# Altium PCB CHILD_BOARD.PcbDoc (part 2 of 2)
Units mm, origin at the board's own origin, x right, y up, seen from the top; angles counter-clockwise.
Board outline 130 x 120 mm, 4 copper layers (Top Layer, GND, PWR, Bottom Layer), stack 1.57 mm thick; 181 components, 106 nets, 543 pads, 39 vias.
Unrouted connection lines stored in the file: 260.
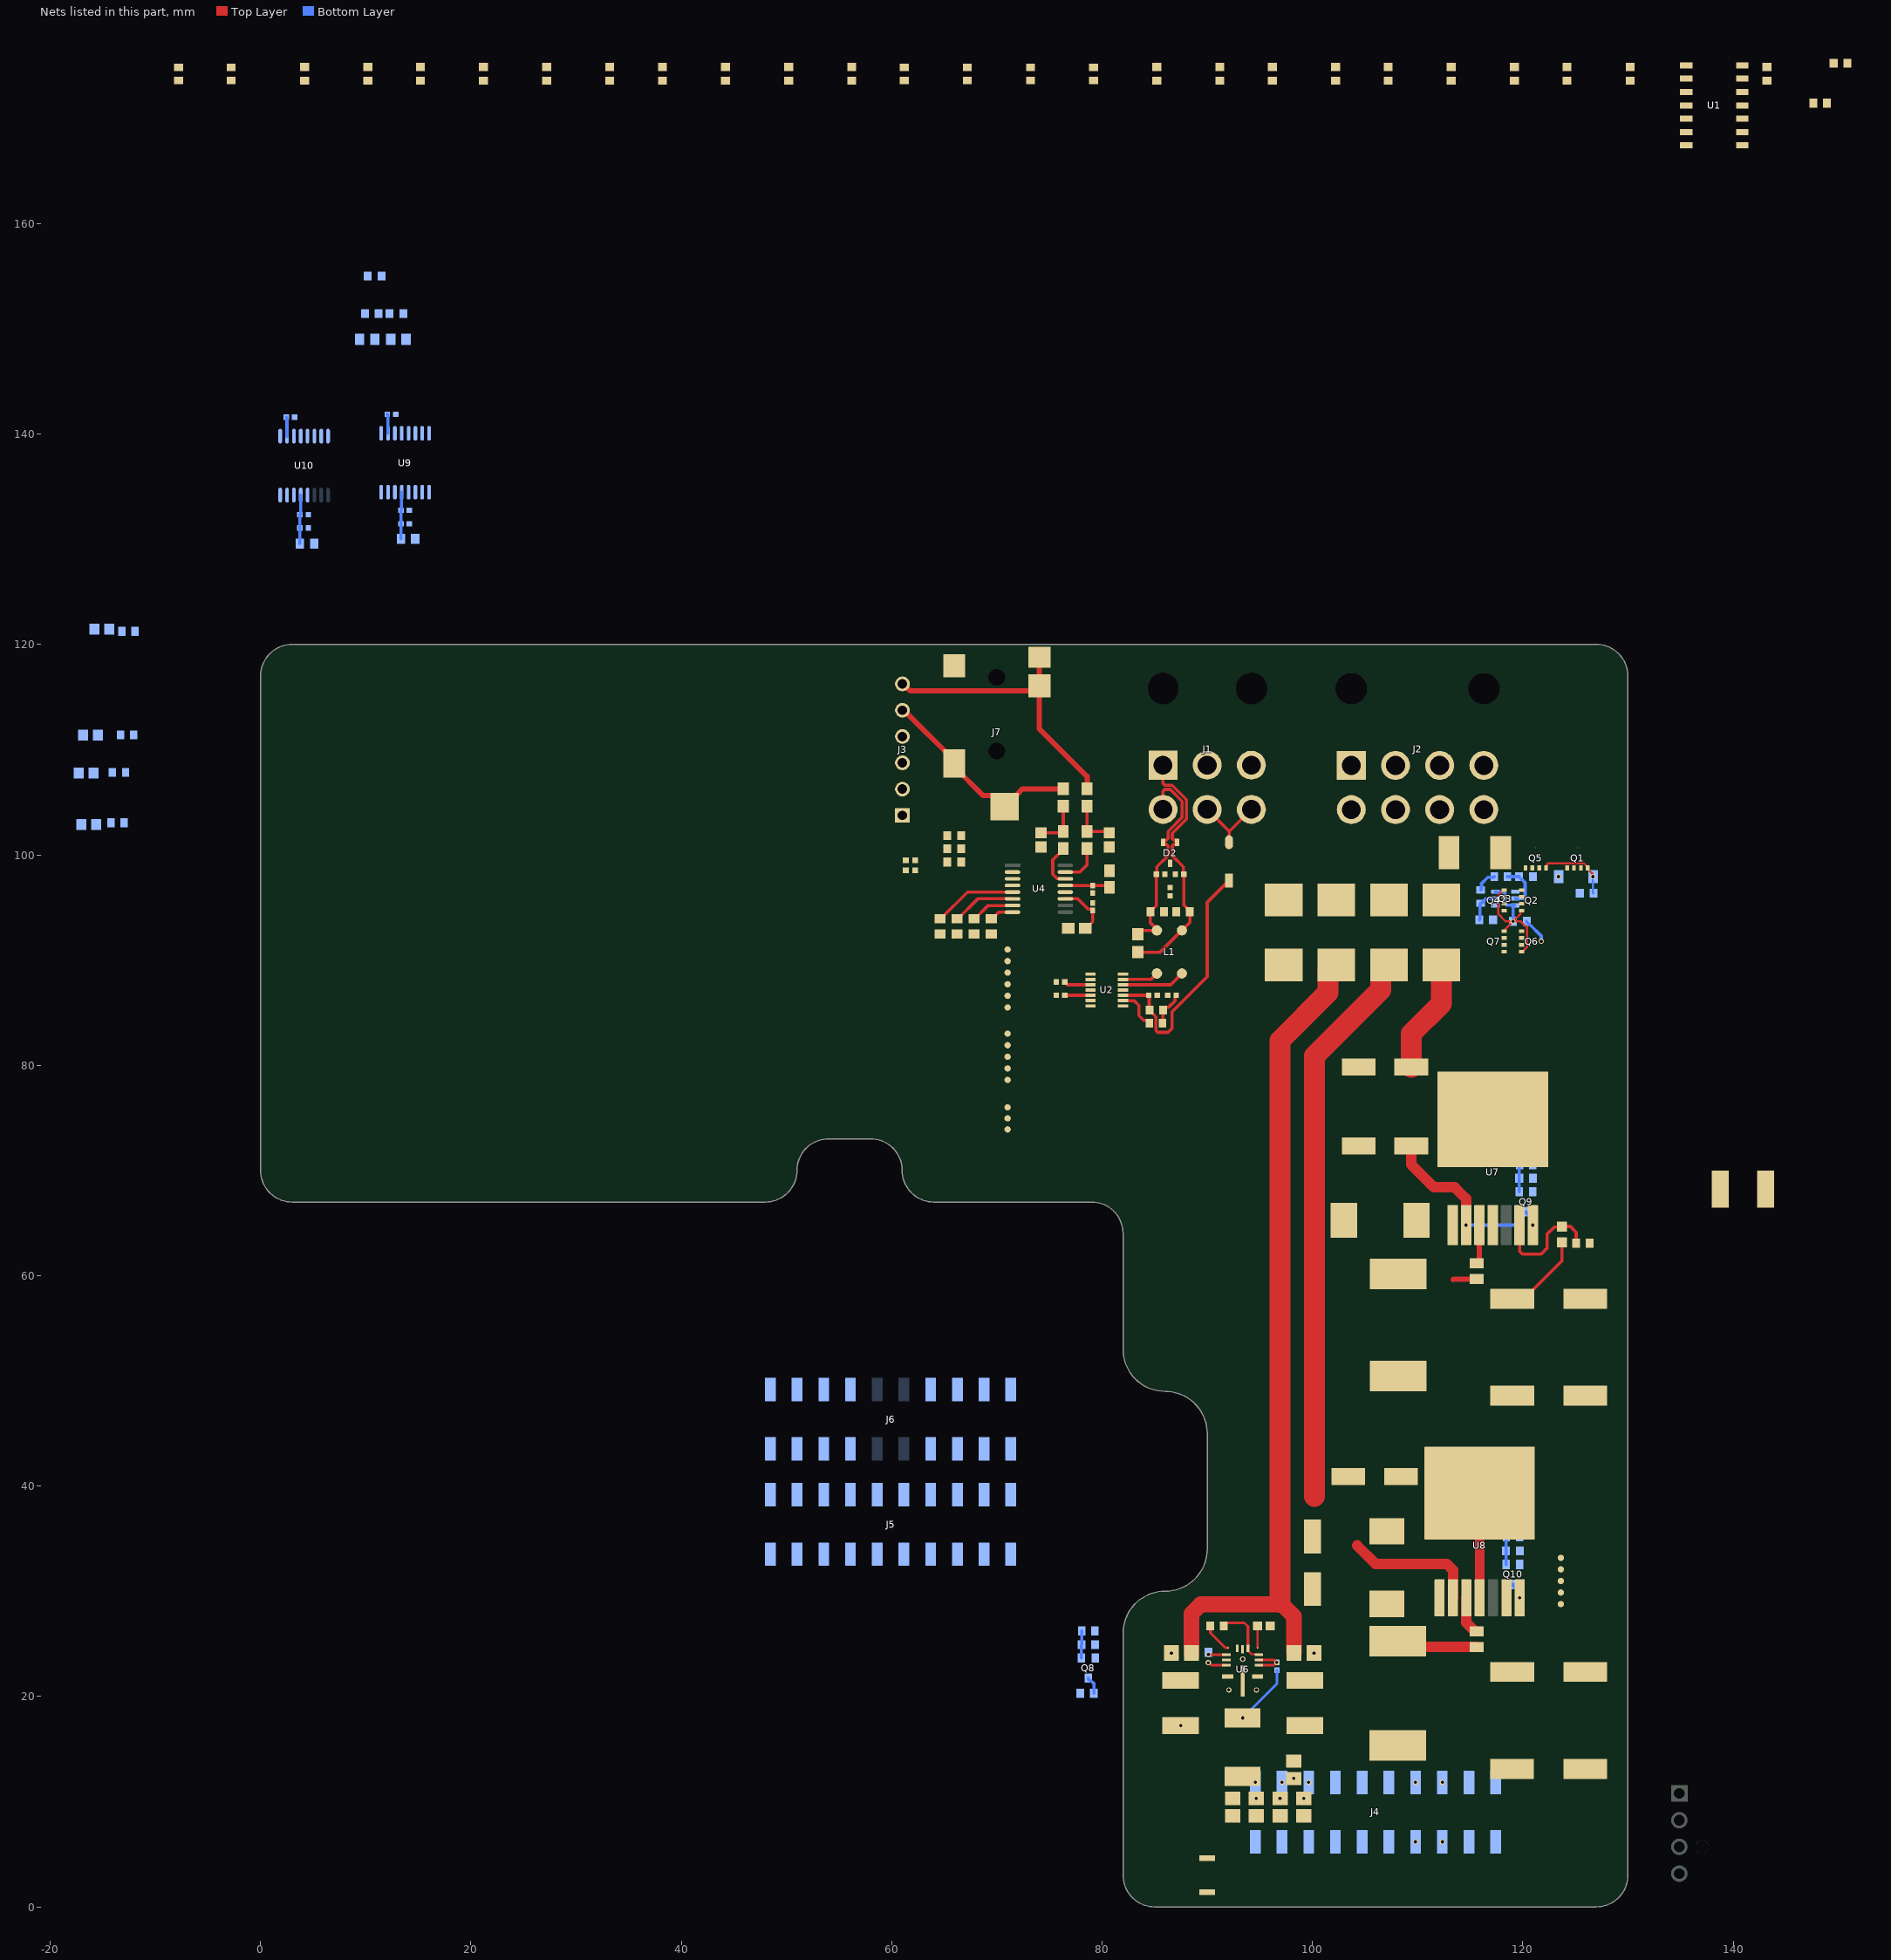
[diagram p2: the nets of this part, all layers, seen from the top]

## Part data (continued)
C42 C43 C48 C49: library part CMP-05428-000021-2, "Conductive Polymer Aluminum Solid Capacitors (OS-CON) 120uF ±20% 16V RADIAL SMT 8x6.9mm", Capacitance=120uF, Case/Package=Radial, ESR (Equivalent Series Resistance)=27mR, Leakage Current=500uA, Max Operating Temperature=105°C, Min Operating Temperature=-55°C, Package Quantity=1000, Ripple Current=2.9A, Tolerance=20%, Voltage=16V, Construction=Cylindrical, Diameter=8mm, Dissipation Factor=12%, Height=6.9mm, Height - Seated (Max)=0.276inch, Lead Free="Lead Free", Length=6.9mm, Life (Hours)=2000Hour, Mount="Surface Mount", Number of Pins=7, Packaging="Tape and Reel", Polarity=Polar, REACH SVHC="No SVHC", Ripple Current (AC)=2.9A, RoHS Compliant=Yes, Series="OS-CON, SVPC", Termination=SMD/SMT, Voltage Rating=16V, Voltage Rating (DC)=16V
D1: library part CMP-1060-00565-1, "Zener Voltage Regulator, 500 mW, 2-Pin SOD-123, Pb-Free, Tape and Reel", Manufacturer="On Semiconductor", ComponentLink1Description="Manufacturer URL", ComponentLink1URL=http://www.onsemi.com/, ComponentLink2Description=Datasheet, ComponentLink2URL=http://www.onsemi.com/pub_link/Collateral/MMSZ5221BT1-D.PDF, ComponentLink3Description="Package Specification", ComponentLink3URL=http://www.onsemi.com/pub_link/Collateral/425-04.PDF, DatasheetVersion="Rev. 12", Mounting Technology="Surface Mount", P Max (W)=0.5, PackageDescription="2-Pin SOD, Body 1.6 x 2.69 mm", PackageReference=SOD-123-2-425-04, PackageVersion="Rev. G, 10/2009", Packing="Tape and Reel", PartNumber=MMSZ5242BT1G, RoHS=Pb-Free, VZ Typ (V)=12
D2: library part CMP-12225-000055-1, "TVS DIODE 26.5V 44V SOT323-3", Breakdown Voltage=28.5V, Capacitance=3pF, Clamping Voltage=44V, Manufacturer=STMicroelectronics, Max Junction Temp=+175°C, Package=SOT323-3L, Peak Pulse Current=3A, Peak Pulse Power=170W, Reverse Standoff Voltage=26.5V, Temperature="-55°C to +175°C", Temperature Range Low=-55°C, Automotive=Yes, Automotive Grade="Grade 0", Category=Diode, ComponentLink2Description=Datasheet, ComponentLink2URL=https://www.st.com/resource/en/datasheet/esdcan02-2bwy.pdf, Device Class L1="Circuit Protection", Device Class L2="TVS Diodes", Device Class L3=unset, Digikey Description="TVS DIODE 26.5V 44V SOT323-3", Direction=Bidirectional, Height=1.1mm, Ipc Land Pattern Name=SOT65P210X95-3, Lead Free=Yes, Manufacturer Part Number=ESDCAN02-2BWY, Mouser Description="TVS Diodes / ESD Suppressors Automotive dual-line Transil, Transient voltage suppressor (TVS) for CAN bus", Number of Channels=2, Octopart=https://octopart.com/esdcan02-2bwy-stmicroelectronics-58631133, RoHS=TRUE, Standoff Height=0mm, Temperature Range High=+175°C
D3: library part CMP-2000-04993-2, "DIODE GEN PURP 100V 150MA SOD123", Average Rectified Current=150mA, Capacitance=4pF, Forward Voltage=1V, Max Forward Surge Current (Ifsm)=1A, Max Operating Temperature=150°C, Max Repetitive Reverse Voltage (Vrrm)=100V, Max Reverse Leakage Current=5uA, Max Surge Current=2A, Min Operating Temperature=-65°C, Package Quantity=3000, Power Dissipation=400mW, Current Rating=150mA, Element Configuration=Single, Forward Current=150mA, Height=1.2mm, Lead Free="Lead Free", Length=2.85mm, Max Reverse Voltage (DC)=100V, Mount="Surface Mount", Number of Pins=2, Output Current=150mA, Packaging="Tape and Reel", Peak Non-Repetitive Surge Current=2A, Polarity=Standard, Radiation Hardening=No, Recovery Time=4ns, Reverse Recovery Time=4ns, Voltage Rating (DC)=100V, Width=1.8mm
D6 D7: library part CMP-2000-05097-3, "DIODE SCHOTTKY 40V 5A SMC", Capacitance=300pF, Forward Current=5A, Manufacturer="Diodes Inc.", Max Junction Temp=+150°C, Max Repetitive Reverse Voltage=40V, Max Surge Forward Current=100A, Package=SMC, Peak Reverse Current=0.5mA, Temperature="-55°C to +150°C", Temperature Range Low=-55°C, Automotive=No, Automotive Grade=NA, Category=Diode, ComponentLink2Description=Datasheet, ComponentLink2URL=https://www.diodes.com/assets/Datasheets/ds13012.pdf, Device Class L1="Discrete Semiconductors", Device Class L2=Diodes, Device Class L3="Schottky Diodes", Digikey Description="DIODE SCHOTTKY 40V 5A SMC", Footprint Url=https://www.diodes.com/assets/Package-Files/SMC.pdf, Height=2.5mm, Lead Free=Yes, Manufacturer Part Number=B540C-13-F, Mouser Description="Diode: Schottky rectifying; SMD; 40V; 5A; SMC; Package: reel, tape", Octopart=https://octopart.com/b540c-13-f-diodes+inc.-325873, Reverse Voltage=40V, RoHS=TRUE, Standoff Height=0.1mm, Temperature Range High=+150°C
F1: library part CMP-16042-000002-1, "FUSE BRD MNT 15A 125VAC/VDC", Fuse Current=15A, Fuse Interrupt Ac Current=50A, Fuse Interrupt Dc Current=300A, Fuse Voltage Drop=0.13V, Manufacturer="Bel Fuse", Max Fuse Ac Voltage=125V, Package=0679L, Resistance=0.0038Ω, Temperature="-55°C to +125°C", Temperature Range High=+125°C, Temperature Range Low=-55°C, Automotive=Yes, Automotive Grade="Grade 1", Category=Fuse, ComponentLink2Description=Datasheet, ComponentLink2URL=https://www.belfuse.com/resources/CircuitProtection/datasheets/0679L%20Sep2016.pdf, Device Class L1="Circuit Protection", Device Class L2=Fuses, Device Class L3=unset, Digikey Description="FUSE BRD MNT 15A 125VAC/VDC", Fuse Blow Speed=Fast, Fuse I2T=103.5A2Sec, Height=2.79mm, Ipc Land Pattern Name=CAPC610254X254, Lead Free=Yes, Manufacturer Part Number=0679L9150-01, Max Fuse Dc Voltage=125V, Octopart=https://octopart.com/0679l9150-01-bel+fuse-70850665, RoHS=TRUE, Voltage Rating=125V
J1: library part CMP-04776-000024-1, "CONN HEADER R/A 6POS 4.2MM", Current Rating=8A, Manufacturer=Molex, Package=0, Temperature="-40°C to +105°C", Temperature Range High=+105°C, Temperature Range Low=-40°C, Voltage Rating=600V, Automotive=No, Category=Conn, ComponentLink2Description=Datasheet, ComponentLink2URL=https://www.molex.com/webdocs/datasheets/pdf/en-us/0455580003_PCB_HEADERS.pdf, Conn Gender=Male, Conn Orientation="Right Angle", Contact Material=Tin,Nickel, Device Class L1=Connectors, Device Class L2="Headers and Wire Housings", Device Class L3=unset, Digikey Description="CONN HEADER R/A 6POS 4.2MM", Footprint Url=https://www.molex.com/pdm_docs/sd/455580003_sd.pdf, Height=10.38mm, Lead Free=Yes, Manufacturer Part Number=455580003, Mouser Description="Conn Power HDR 6 POS 4.2mm Solder ST Thru-Hole 6 Terminal 1 Port Mini-Fit Jr™ Tray", Number of Contacts=6, Number of Rows=2, Octopart=https://octopart.com/45558-0003-molex-7672845, Pitch=4.2mm, RoHS=TRUE, Standoff Height=0.4mm
J2: library part CMP-04776-000690-1, "CONN HEADER R/A 8POS 4.2MM"
J3: library part CMP-17439-000076-1, "CONN HEADER VERT 6POS 2.5MM"
J4 J5 J6: library part CMP-1023-00237-1, "Tiger Claw(TM) Surface Mount Socket, Vertical, -55 to 125 degC, 2.54 mm Pitch, 20-Pin, Female, RoHS", Manufacturer=Samtec, Temperature Range="-55 to 125 degC", ComponentLink1Description="Manufacturer URL", ComponentLink1URL=http://www.samtec.com, ComponentLink2Description=Datasheet, ComponentLink2URL=http://www.samtec.com/documents/webfiles/pdf/SSM_SM.PDF, ComponentLink3Description="Package Specification", ComponentLink3URL=http://www.samtec.com/documents/webfiles/cpdf/SSM-1XX-XXX-DV-XX-XX-X-XX-MKT.pdf, DatasheetVersion=F-214, Mounting Technology="Surface Mount", Orientation=Vertical, PackageDescription=".100 C.L. Double Vertical SMT Socket Strip", PackageReference=SSM-110-X-DV, PackageVersion="AK, 3/2000", PartNumber=SSM-110-L-DV, Pitch="2.54 mm", RoHS=True
J7: library part CMP-1772-00001-1, "Female 3.5 mm Phone Jack, 5 Position, Height 5 mm, RoHS, Tape and Reel", Current Rating="50 mA", Package Quantity=3000, Voltage Rating (DC)="12 V", ComponentLink1Description="Manufacturer URL", ComponentLink1URL=http://www.switchcraft.com/, ComponentLink2Description=Datasheet, ComponentLink2URL=http://www.switchcraft.com/Drawings/35rasmt4bhntrx_cd.pdf, Contact Material=Silver, Contact Plating=Silver, DatasheetVersion="Rev. C, 07/2014", Mount="Through Hole", PackageDescription="Female 3.5 mm Phone Jack, 5 Position, Height 5 mm", PackageReference=35RASMT4BHNTRX, Packaging="Tape and Reel", RoHSCompliant=true
J?: library part CMP-04776-000290-2, "CONN HEADER VERT 4POS 2.54MM", Ambient Temperature Range High=105°C, Current Rating=500mA, Housing Color=Beige, Manufacturer Lifecycle Status=ACTIVE, Max Operating Temperature=75°C, Min Operating Temperature=0°C, Voltage Rating=250V, Contact Material="Brass, Copper", Contact Plating=Tin, Country of Origin=HK, Depth=5.84mm, Gender=Male, Glow Wire Compliant=Non-compliant, Halogen Free="Low Halogen", Height=7.7mm, Housing Material=Nylon, Lead Pitch=2.54mm, Length=10.2mm, Lifecycle Status=Production, Mount="Through Hole", NexarPartId=854935, Number of Circuits=4, Number of Contacts=4, Number of Pins=4, Number of Positions=4, Number of Rows=1, Orientation=Vertical, Packaging=Bulk, Pitch=2.54mm, Plating=Copper, Radiation Hardening=No, REACH SVHC=Unknown, RoHS=Compliant, Schedule B="8536694040, 8536694040", Termination="Through Hole", Voltage Rating (DC)=250V
L1: library part CMP-07251-000006-1, "CMC 51UH 200MA 2LN 2KOHM SMD", Case/Package=4532, Current=200mA, DC Resistance (DCR)=3.5R, Inductance=51uH, Insulation Resistance=10MR, Max Operating Temperature=125°C, Min Operating Temperature=-40°C, Package Quantity=1, Resistance=2kR, Self Resonant Frequency=100kHz, Tolerance=50%, Voltage Rating (DC)=50V, Contact Plating=Tin, Core Material=Ferrite, Current Rating=200mA, DC Current=200mA, Depth=3.4mm, Element Configuration=Dual, Height=0.118inch, Impedance=2kR, Lead Free="Lead Free", Length=4.5mm, Material=Steel, Max DC Current=200mA, Mount="Surface Mount", Number of Lines=2, Packaging="Tape and Reel", REACH SVHC="No SVHC", RoHS Compliant=Yes, Series=SRF4532, Termination=SMD/SMT, Test Frequency=100kHz, Width=0.126inch
L2 L3: library part CMP-06042-006288-1, "Multilayer type RF Inductor 2.2nH ±0.3nH 0.1Ω 1100mA 0603", Case Code (Imperial)=0603, Case Code (Metric)=1608, Current Rating=500mA, DC Resistance (DCR)=100mR, Inductance=2.2nH, Max Operating Temperature=85°C, Min Operating Temperature=-40°C, Package Quantity=4000, Self Resonant Frequency=6GHz, Test Frequency=100MHz, Case/Package=0603, Core Material=Air, DC Current=500mA, Depth=0.95mm, Height=0.8mm, Height - Seated (Max)=0.037inch, Lead Free="Lead Free", Length=0.063inch, Max DC Current=500mA, Military Standard=Not, Mount="Surface Mount", Number of Pins=2, Packaging="Tape and Reel", Q Factor=12, Radiation Hardening=No, REACH SVHC="No SVHC", Shielding=Unshielded, Termination=SMD/SMT, Width=0.031inch
L4: library part CMP-08253-000021-1, "FIXED IND 2.2UH 8.2A 19 MOHM SMD", Inductance=2.2uH, Manufacturer=TDK, Package=SPM6530, Rms Current=8.2A, Saturation Current=8.4A, Series Resistance=19.1mΩ, Temperature="-40°C to +125°C", Temperature Range High=+125°C, Temperature Range Low=-40°C, Test Frequency=100kHz, Tolerance=20%, Automotive=No, Category=Ind, ComponentLink2Description=Datasheet, ComponentLink2URL=https://product.tdk.com/info/en/catalog/datasheets/inductor_commercial_power_spm6530_en.pdf, Composition=Wirewound, Core Material=Metal, Device Class L1="Passive Components", Device Class L2=Inductors, Device Class L3="Fixed Inductors", Digikey Description="FIXED IND 2.2UH 8.2A 19 MOHM SMD", Height=3mm, Lead Free=Yes, Manufacturer Part Number=SPM6530T-2R2M, Mouser Description="Fixed Inductors 2.2uH 0.0173ohms 7.1x6.5x3mm", Octopart=https://octopart.com/spm6530t-2r2m-tdk-18903909, RoHS=TRUE, Shielding=true, Standoff Height=0.15mm
L5: library part CMP-2000-07146-2, "FIXED IND 15UH 5A 27 MOHM SMD", Case/Package=1260, Current Rating=5A, DC Resistance (DCR)=27mR, Frequency=17.6MHz, Inductance=15uH, Inductance Tolerance=20%, Max Operating Temperature=125°C, Min Operating Temperature=-40°C, Package Quantity=600, Resistance=27MR, Resistor Type=Wirewound, Saturation Current=4.6A, Test Frequency=100kHz, Core Material=Ferrite, DC Current=5A, Depth=12.8mm, Height=6mm, Height - Seated (Max)=0.256inch, Length=12.5mm, Material=Steel, Max DC Current=5A, Military Standard=Not, Mount="Surface Mount", Number of Pins=2, Packaging="Tape and Reel", Q Factor=25, REACH SVHC="No SVHC", RMS Current (Irms)=5A, RoHS Compliant=Yes, Sample Rate (Hz)=100kHz, Self Resonant Frequency=17.6MHz, Series=SRR1260, Shielding=Shielded, Termination=SMD/SMT, Tolerance=20%, Width=12.5mm
L6: library part CMP-0227-00708-1, "SMD-Shielded Power Inductor WE-PD, L = 10.0 µH", Inductance="10.0 ÂµH", ComponentLink1Description="Manufacturer Link", ComponentLink1URL=http://www.we-online.com, ComponentLink2Description=Datasheet, ComponentLink2URL=http://www.we-online.de/katalog/media/pdf/74477110.pdf, DatasheetVersion="ver 7, Sep-2006", PackageDescription="SMD Inductor, 2-Leads, Body 12.0 x 12.0 mm", PackageReference=WE-PD-L, PackageVersion=2006
Q1 Q2 Q4 Q5 Q6 Q7: library part CMP-013-00036-2, "Trans MOSFET P-CH 20V 22.1A 8-Pin PowerPAK 1212 EP T/R"
Q3: library part CMP-35916-000009-1, "MOSFET 2N-CH 60V 0.3A", Continuous Drain Current (ID)=300mA, Drain to Source Voltage (Vdss)=60V, Input Capacitance=40pF, Max Power Dissipation=285mW, FET Type="2 N-Channel", Mount="Surface Mount", Packaging="Tape and Reel", Rds On Max=1.5R
Q8 Q9 Q10: library part CMP-2000-05968-1, "N-Channel Enhancement Mode Mosfet, 50 V, 200 mA, -55 to 150 degC, 6-Pin SOT-323, RoHS, Tape and Reel", Id - Continuous Drain Current=200mA, Manufacturer=DiodesIncorporated, Maximum Operating Temperature=+150C, Minimum Operating Temperature=-55C, Package / Case=SOT-323-3, Package Description="3-Pin Small Outline Transistor, Body 2 x 1.25 mm, Pitch 0.65 mm", Package Reference=SOT323, Pd - Power Dissipation=200mW, Rds On - Drain-Source Resistance=1.4Ohms, Vds - Drain-Source Breakdown Voltage=75V, Vgs - Gate-Source Voltage=20V, Brand=DiodesIncorporated, Channel Mode=Enhancement, Configuration=Single, Datasheet URL=http://www.diodes.com/_files/datasheets/ds30206.pdf, Datasheet Version="Rev. 11-2, 09/2013", Factory Pack Quantity=3000, Forward Transconductance - Min=0.1S, Height=1mm, Length=2.2mm, Manufacturer URL=http://www.diodes.com/, Mounting Style=SMD/SMT, Mounting Technology=SurfaceMount, Number of Channels=1Channel, Packaging=Reel, Product=MOSFETSmallSignal, Product Category=MOSFET, RoHS=True, Series=BSS138, Technology=Si, Transistor Polarity=N-Channel, Transistor Type=1N-Channel, Type=EnhancementModeFieldEffectTransistor, Typical Turn-Off Delay Time=20ns, Typical Turn-On Delay Time=20ns, Unit Weight=0.000212oz, Width=1.35mm
R1 R3 R5 R7 R14 R15 R16 R17 R18 R19 R20 R21 R30 R31 R32 R33 R34 R35 R41 R59 R60 R61 R67 R69 R70 R71 R72 R73 R75 R76 R77 R81 R83 R94: library part CMP-1012-00623-3, "Chip Resistor, 10 KOhm, +/- 1%, 0.1 W, -55 to 155 degC, 0603 (1608 Metric), RoHS, Tape and Reel", Case Code (Imperial)=0603, Case Code (Metric)=1608, Manufacturer=Panasonic, Max Operating Temperature=155degC, Max Power Dissipation=100mW, Min Operating Temperature=-55degC, Package Description="2-Pin Surface Mount Device, Body 1.6 x 0.85 mm", Package Quantity=1, Package Reference=603, Resistance=10KOhm, Temperature Coefficient=100ppm\/degreesC, Tolerance=1%, Voltage Rating=75V, Case\/Package=0603, Composition=ThickFilm, Contact Plating=Tin, Datasheet URL=https://industrial.panasonic.com/cdbs/www-data/pdf/RDA0000/AOA0000C304.pdf, Datasheet Version=02/2017, Depth=0.8mm, Height=0.45mm, Lead Free=LeadFree, Length=1.6mm, Manufacturer URL=http://www.panasonic.com/, Military Standard=Not, Mount=SurfaceMount, Mounting Technology=SurfaceMount, Number of Pins=2, Number of Terminations=2, Packaging=TapeandReel, Power Rating=100mW, Radiation Hardening=No, REACH SVHC=NoSVHC, RoHSCompliant=true, Termination=SMD/SMT, Voltage Rating (DC)=75V, Width=0.031inch
R2 R6 R24 R25 R26 R27 R38 R39 R43 R68 R80 R82 R87 R88 R89 R92: library part CMP-2000-00180-1, Manufacturer=Panasonic, Part Number=ERJ-3EKF1001V
R8 R9 R10 R11: library part CMP-33361-000012-1, "RES SMD 10 MOHM 1% 2W 3264", Case Code (Imperial)=2512, Case Code (Metric)=6432, Max Operating Temperature=150°C, Max Power Dissipation=2W, Min Operating Temperature=-55°C, Package Quantity=1, Resistance=10mR, Temperature Coefficient=50ppm/°C, Tolerance=1%, Voltage Rating=220mV, Case/Package=2512, Composition="Metal Element", Depth=3.2mm, Features="Flame Retardant Coating", Height=0.024inch, Length=6.4mm, Military Standard=Not, Mount="Surface Mount", Number of Pins=2, Number of Terminations=2, Packaging="Tape and Reel", Power Rating=2W, Termination=SMD/SMT, Width=0.126inch
R12 R13 R22 R23 R28 R29 R36 R37: library part CMP-1012-00849-3, "RES SMD 1M OHM 1% 1/10W 0603", Case Code (Imperial)=0603, Case Code (Metric)=1608, Max Operating Temperature=155°C, Max Power Dissipation=100mW, Min Operating Temperature=-55°C, Package Quantity=1, Resistance=1MR, Resistance Tolerance=1%, Resistor Type="Thick Film", Temperature Coefficient=100ppm/°C, Voltage Rating=75V, Case/Package=0603, Construction=Rectangular, Contact Plating=Tin, Depth=0.8mm, Features="Automotive AEC-Q200", Height=0.022inch, Lead Free="Lead Free", Length=1.6mm, Military Standard=Not, Mount="Surface Mount", Number of Pins=2, Number of Terminations=2, Packaging="Tape and Reel", Power Rating=100mW, Radiation Hardening=No, REACH SVHC="No SVHC", RoHS Compliant=Yes, Series=ERJ, Size Code=0603, Termination=SMD/SMT, Tolerance=1%, Voltage Rating (DC)=75V, Width=0.8mm
R40 R44: library part CMP-1012-00372-3, "RES SMD 60.4 OHM 1% 1/10W 0603", Case Code (Imperial)=0603, Case Code (Metric)=1608, Max Operating Temperature=155°C, Max Power Dissipation=100mW, Min Operating Temperature=-55°C, Package Quantity=1, Resistance=60.4R, Resistance Tolerance=1%, Resistor Type="Thick Film", Temperature Coefficient=100ppm/°C, Voltage Rating=75V, Voltage Rating (DC)=50V, Case/Package=0603, Construction=Rectangular, Contact Plating=Tin, Depth=0.8mm, Features="Automotive AEC-Q200", Height=0.022inch, Lead Free="Lead Free", Length=1.6mm, Military Standard=Not, Mount="Surface Mount", Number of Terminations=2, Packaging="Tape and Reel", Power Rating=100mW, REACH SVHC="No SVHC", RoHS Compliant=Yes, Series=ERJ, Termination=SMD/SMT, Tolerance=1%, Width=0.031inch
R42: library part CMP-2000-00213-2, "Chip Resistor, 120 Ohm, +/- 1%, 0.1 W, -55 to 155 degC, 0603 (1608 Metric), RoHS, Tape and Reel", Case Code (Imperial)=0603, Case Code (Metric)=1608, Manufacturer=Panasonic, Max Operating Temperature=155degC, Max Power Dissipation=100mW, Min Operating Temperature=-55degC, Package Description="2-Pin Surface Mount Device, Body 1.6 x 0.85 mm", Package Quantity=1, Resistance=120Ohm, Temperature Coefficient=100ppm/degreesC, Tolerance=1%, Voltage Rating=75V, Case/Package=0603, Composition=ThickFilm, Contact Plating=Tin, Datasheet URL=https://industrial.panasonic.com/cdbs/www-data/pdf/RDA0000/AOA0000C283.pdf, Datasheet Version=42095.0, Depth=0.8mm, Height=0.022inch, Lead Free=LeadFree, Length=1.6mm, Manufacturer URL=http://www.panasonic.com/, Military Standard=Not, Mount=SurfaceMount, Number of Pins=2, Number of Terminations=2, Package Reference=0603, Package URL=http://www.st.com/st-web-ui/static/active/en/resource/technical/document/datasheet/CD00001320.pdf, Packaging=TapeandReel, Power Rating=100mW, Radiation Hardening=No, REACH SVHC=NoSVHC, RoHSCompliant=true, Termination=SMD/SMT, Voltage Rating (DC)=75V, Width=0.031inch
R49 R50 R51 R52: library part CMP-2000-00538-1, Manufacturer=Panasonic, Part Number=ERJ-3EKF49R9V
R56 R57: library part CMP-009-00206-2, "READ THE NAME"
R65 R66: library part CMP-2000-00182-1, Manufacturer=Panasonic, Part Number=ERJ-3EKF1003V
R74: library part CMP-1012-00604-3, "Chip Resistor, 6.8 KOhm, +/- 1%, 0.1 W, -55 to 155 degC, 0603 (1608 Metric), RoHS, Tape and Reel", Case\Package=LQFP, Frequency="48 MHz", Max Operating Temperature="105 degC", Max Supply Voltage="3.6 V", Min Operating Temperature="-40 degC", Min Supply Voltage="1.71 V", Package Quantity=160, ADC Channels=14, ComponentLink1Description="Manufacturer URL", ComponentLink1URL=http://www.panasonic.com/, ComponentLink2Description=Datasheet, ComponentLink2URL=http://industrial.panasonic.com/cdbs/www-data/pdf/RDA0000/AOA0000C86.pdf, DatasheetVersion=Apr-15, Density="128 KB", Height="1.45 mm", I\Os=50, Interface=UART, Length="10 mm", Max Clock Frequency="48 MHz", Mount="Surface Mount", PackageDescription="2-Pin Surface Mount Device, Body 1.6 x 0.85 mm", PackageReference=0603, Packaging=Tray, Pins=64, PWM Channels=6, Radiation Hardening=No, RAM Size="16 KB", REACH SVHC="No SVHC", RoHSCompliant=true, Weight="0.012224 oz", Width="10 mm"
R78 R79: library part CMP-2000-00572-1, Manufacturer=Panasonic, Part Number=ERJ3EKF56R0V
R84 R85 R86 R90: library part CMP-2000-00869-1, Manufacturer=Panasonic, Part Number=ERT-J1VR103J
SW1: library part CMP-10040-000029-1, "SWITCH TACTILE SPST-NO 0.02A 15V", Current Rating=5A, Flammability Rating="UL94 V-0", Insulation Color=Black, Max Operating Temperature=85°C, Min Operating Temperature=-40°C, Operating Force=240gf, Actuator Type=Standard, Connector Type=USB, Contact Plating=Gold, Gender=Receptacle, Illumination Type=Non-Illuminated, Mechanical Life=500000Cycles, Mount="Surface Mount", Number of Contacts=24, Number of Ports=1, Packaging="Tape and Reel", Switch Function=Off-Mom, Switch Travel=0.13mm, Termination=Solder, Throw Configuration=SPST
TP1 TP2 TP3 TP4 TP5 TP6 TP7 TP8 TP9 TP10 TP11 TP12 TP13 TP14 TP15 TP16 TP17 TP18 TP19: library part CMP-00028-00002-2, "0.6mm round", Pins=1
U1: library part CMP-1310-00171-1, "Single Supply Quad Operational Amplifier, 3 to 32 V, 0 to 70 degC, 14-Pin SOIC, Pb-Free, Tape and Reel", Manufacturer="On Semiconductor", ComponentLink1Description="Manufacturer URL", ComponentLink1URL=http://www.onsemi.com/, ComponentLink2Description=Datasheet, ComponentLink2URL=http://www.onsemi.cn/pub_link/Collateral/LM324-D.PDF, ComponentLink3Description="Package Specification", ComponentLink3URL=http://www.onsemi.com/pub_link/Collateral/751A-03.PDF, DatasheetVersion="Rev. 25", Mounting Technology="Surface Mount", PackageDescription="14-Pin Small Outline Integrated Circuit, Body 8.65 x 3.9 mm, Pitch 1.27 mm", PackageReference=SOIC-14-751A-03, PackageVersion="Rev. K, 05/2011", Packing="Tape and Reel", PartNumber=LM324DR2G, RoHS=TRUE, VCC Max (V)=32, VCC Min (V)=3
U2: library part CMP-015-00012-2, "Automotive CAN FD transceiver with watchdog, bus diagnostics and partial networking via sele 14-SOT-23-THIN -40 to 150"
U4: library part CMP-04861-000034-1, "IC DAC/AUDIO 24BIT 200K 16SSOP", Case/Package=SSOP, Max Operating Temperature=85°C, Max Power Dissipation=200mW, Max Supply Voltage=5.5V, Min Operating Temperature=-25°C, Min Supply Voltage=4.5V, Nominal Supply Current=30mA, Operating Supply Voltage=5V, Package Quantity=2000, Power Consumption=80mW, Conversion Rate=192KS/s, Interface=Serial, Lead Free="Lead Free", Mount="Surface Mount", Number of Analog Inputs=0, Number of Analog Outputs=2, Number of Bits=24, Number of Channels=2, Number of Converters=2, Number of DAC Channels=2, Number of Pins=16, Output Type=Voltage, Packaging="Tape and Reel", Radiation Hardening=No, Resolution=24b, RoHS Compliant=Yes, Sampling Rate=200000S/s, Series=-, Signal to Noise Ratio (SNR)=106dB, Supply Type=Single, Weight=0.002469oz
U6: library part CMP-019-00059-1, "10-A automotive buck converter optimized for power density and low EMI 16-VQFN-HR -40 to 150"
U7: library part CMP-0069-00211-3, "SIMPLE SWITCHER® High Efficiency 5A Step-Down Voltage Regulator with Sync, 7-pin TO-263", Manufacturer="Texas Instruments", PackageTopMarking=NSUZXYTTE#*LM2677S*-ADJ, PowerWise=N, Code_JEDEC=MO-169-AC, ComponentLink1Description="Datasheet URL", ComponentLink1URL=http://www.ti.com/general/docs/lit/getliterature.tsp?genericPartNumber=LM2677&fileType=pdf, CompType=Switcher, PackageDescription="TO-263, Molded, .400 x .390 x .180in Body, 7 Lead, .050in Pitch, Surface Mount", PackageReference=KTW0007B, PinCount=7, RoHS=N
U8: library part CMP-0069-00195-3, "SIMPLE SWITCHER® High Efficiency 5A Step-Down Voltage Regulator, 7-pin TO-263, Pb-Free", Manufacturer="Texas Instruments", PackageTopMarking=NSUZXYTTE#*LM2678*S-3.3, PowerWise=N, Code_JEDEC=MO-169-AC, ComponentLink1Description="Datasheet URL", ComponentLink1URL=http://www.ti.com/general/docs/lit/getliterature.tsp?genericPartNumber=LM2678&fileType=pdf, CompType=Switcher, PackageDescription="TO-263, Molded, .400 x .390 x .180in Body, 7 Lead, .050in Pitch, Surface Mount", PackageReference=KTW0007B, PinCount=7, RoHS=Y
U9 U10: library part CMP-0054-00372-2, "8-Channel, 50 kSPS to 200 kSPS, 8-Bit A/D Converter, 16-pin TSSOP, Pb-Free", Manufacturer="National Semiconductor", PackageTopMarking=NSUZXYTT*88S022*CIMT, PowerWise=Y, Code_JEDEC=MO-153-AB, ComponentLink1Description="ADC088S022 Datasheet", ComponentLink1URL=http://www.national.com/ds/AD/ADC088S022.pdf, ComponentLink2Description="ADC088S022 Web Page", ComponentLink2URL=http://www.national.com/pf/AD/ADC088S022.html, ComponentLink3Description="MTC16 Package Page", ComponentLink3URL=http://www.national.com/packaging/folders/mtc16.html, CompType="ADC IC", DatasheetVersion=Feb-2010, PackageDescription="Molded TSSOP, Jedec, 5 x 4.4 x 0.9mm Body, 16 Lead, 0.65mm Pitch", PackageReference=MTC16, PackageVersion="revD, Jun-2003", PinCount=16, RevisionNote="Component URLs added", RoHS=Y

## Via types
v1: diameter 0.5, hole 0.3, Top Layer to Bottom Layer, 28 vias
v2: diameter 5, hole 3, Top Layer to Bottom Layer, 7 vias
v3: diameter 3.5, hole 2.4, Top Layer to Bottom Layer, 4 vias

## Nets (pads, with @x,y where several pads share a name; then routed paths per layer and width w, separated by ;. In a path a pad name is that pad's centre, name@x,y a point inside that pad or via, vN(x,y) a via of type N, cw(c..) or ccw(c..) an arc to the next point about the centre after c; other vN are vias at no path point)
2V_AUX_FB: R74.1 R75.2 U7.6 | length 11.1
  Top Layer w0.3: U7.6@119.69,64.8 119.69,62.335 119.975,62.05 121.75,62.05 122.3,62.6 122.3,63.925 122.976,64.601 123.651,64.601 R74.1@123.725,64.675 124.525,64.675 125.075,64.125 R75.2@125.075,63.075
2V_AUX_I_SENSE: R18.2 R24.2 U9.8
2V_AUX_OUT: C42.2 C43.2 J6.17 J6.18 J6.19 J6.20 L5.2 R71.1 R74.2 TP12.1 | length 8
  Top Layer w0.3: C43.2@119,57.8 120.125,57.8 120.925,58.6 123.725,61.4 R74.2@123.725,63.175
2V_AUX_TEMP: R85.1 R88.2 U10.7
2V_AUX_V_SENSE: R71.2 R72.2 U10.4
2V_AUX_VCC: C38.2 C39.2 C40.2 R10.2 R14.1 R73.2 U7.2 | length 26.8
  Top Layer w1: C38.2@109.4,72.325 109.4,70.55 111.55,68.4 113.525,68.4 114.61,67.315 v1(114.61,64.8)
  Top Layer w2: C39.2@109.4,79.825 109.4,83 112.275,85.875 R10.2@112.275,89.525
  Bottom Layer w0.3: v1(114.61,64.8) R73.2@119.66,64.8
2V_nENABLE: R80.1
3V3: C3.2 U2.5 | length 2.5
  Top Layer w0.3: C3.2@76.45,86.65 U2.5@78.907,86.65
3V3_AUX_FB: C48.2 C49.2 C51.1 C54.1 J4.13 J4.14 J4.15 J4.16 L6.2 R56.2 R76.1 R78.1 R79.1 R84.2 R85.2 R86.2 R90.2 TP13.1 U8.6 U9.2 U10.2 | length 3.7
  Bottom Layer w0.3: C54.1@2.45,141.6 2.517,141.533 2.517,139.811 U10.2@2.526,139.801 ; C51.1@12.05,141.875 12.115,141.81 12.115,140.085 U9.2@12.125,140.075
  other v1: 109.81,6.175 112.35,6.175 109.81,11.825 112.35,11.825
3V3_AUX_I_SENSE: R35.2 R39.2 U9.9
3V3_AUX_TEMP: R90.1 R92.2 U10.6
3V3_AUX_V_SENSE: R76.2 U9.11
3V3_AUX_VCC: C46.2 C47.2 R11.2 R31.1 R77.2 U8.2 | length 66.3
  Top Layer w1: 104.25,34.35 106,32.6 112.778,32.6 113.363,32.014 U8.2@113.363,29.374
  Top Layer w2: 100.2,39.003 100.2,80.875 106.49,87.165 106.49,88.975 107.04,89.525 R11.2@107.275,89.525
3V3_nENABLE: R82.1
5V_AUX: C17.2 C18.2 R57.2 U4.11 | length 5.1
  Top Layer w0.3: U4.11@76.511,95.822 77.703,95.822 78.697,94.828 79.039,94.828 79.125,94.742 C18.2@79.125,94.708 79.125,93.65 78.5,93.025 C17.2@78.402,93.025
5V_MAIN_I_SENSE: R34.2 R38.2 U9.7
5V_MAIN_OUT: C2.2 C31.1 C32.1 C33.1 C34.1 C35.1 J4.1 J4.2 J4.3 J4.4 J4.5 J4.6 L4.2 R65.2 R70.2 TP11.1 U2.3 U6.5 U6.7 | length 8.7
  Top Layer w0.2: U6.7@93.872,24.564 93.872,24.348 94.217,24.003 94.883,24.003 U6.5@94.91,23.976
  Top Layer w0.254: R70.2@91.575,26.7 91.575,26.75 91.823,26.998 93.527,26.998 93.872,26.653 U6.7@93.872,24.564
  Top Layer w0.3: C2.2@76.45,87.925 76.725,87.65 U2.3@78.907,87.65
  other v1: 94.675,10.301 96.925,10.301 99.175,10.301 94.57,11.825 97.11,11.825 99.65,11.825 98.225,12.198
5V_MAIN_TEMP: R84.1 R87.2 U10.5
5V_MAIN_V_SENSE: R65.1 R66.2 U9.10
5V_MAIN_VCC: C27.2 C28.2 C29.2 C30.2 R9.2 R30.1 R67.2 U6.2 U6.14 | length 80.9
  Top Layer w1.5: C27.2@88.5,24.125 88.5,27.871 89.379,28.75 96.75,28.75 96.925,28.925 98.25,27.6 C30.2@98.25,24.125
  Top Layer w2: 96.925,28.925 96.925,82.35 101.49,86.915 101.49,88.975 102.04,89.525 R9.2@102.275,89.525
5V_nENABLE: R68.1
ADC_MISO: J5.1 TP15.1 U9.15 U10.15
ADC_MOSI: J5.3 TP16.1 U9.14 U10.14
ADC_nCS_1: J5.4 TP17.1 U9.1
ADC_nCS_2: J5.6 TP18.1 U10.1
ADC_SCLK: J5.2 TP14.1 U9.16 U10.16
AMBIENT_TEMP: R86.1 R89.2 U10.8
BATT_PWR: Q4.5-6-7-8 Q7.5-6-7-8 R8.1 R9.1 R10.1 R11.1 R16.1 R17.1 R32.1 R33.1 TP19.1 U1.4
CAN_INH: R2.1 R6.1 TP7.1 U2.7 | length 2.2
  Bottom Layer w0.3: R2.1@116,96.65 116.074,96.724 116.074,97.274 116.676,97.876 117.251,97.876 R6.1@117.3,97.925
CAN_MISO: J5.13 TP4.1 U2.6
CAN_MOSI: J5.15 TP5.1 U2.11
CAN_N: C1.1 D2.1 J1.1 L1.4 R40.1 R42.1 | length 24.3
  Top Layer w0.3: R42.1@83.4,90.75 85.525,90.75 L1.4@87.6,92.825 88.351,93.576 R40.1@88.351,94.6 88.351,94.653 87.775,95.229 C1.1@87.775,98.15 87.731,98.194 87.731,98.86 86.676,99.915 86.676,100.824 86.852,101 87.065,101 87.125,101.06 D2.1@87.125,101.2 87.125,101.34 87.065,101.4 86.852,101.4 86.676,101.576 86.676,102.052 88.027,103.403 88.027,105.247 86.648,106.626 85.976,106.626 85.8,106.802 J1.1@85.8,108.525
CAN_nCS: J5.16 TP6.1 U2.14
CAN_P: C7.2 D2.2 J1.4 L1.1 R42.2 R44.2 | length 20.5
  Top Layer w0.3: R42.2@83.4,92.45 83.775,92.825 L1.1@85.225,92.825 85.225,92.91 84.599,93.536 R44.2@84.599,94.6 84.599,94.653 84.827,94.881 84.88,94.881 85.175,95.176 C7.2@85.175,98.15 85.219,98.194 85.219,98.86 86.274,99.915 86.274,100.824 86.098,101 85.885,101 85.825,101.06 D2.2@85.825,101.2 85.825,101.34 85.885,101.4 86.098,101.4 86.274,101.576 86.274,102.218 87.625,103.569 87.625,105.081 86.482,106.224 85.976,106.224 85.8,106.048 J1.4@85.8,104.325
CAN_PWR: D3.2 J1.5 J1.6 | length 7
  Top Layer w0.3: J1.5@90,104.325 92.075,102.25 ; D3.2@92.075,101.2 92.075,102.25 ; J1.6@94.2,104.325 92.125,102.25 92.075,102.25
CAN_RX: J5.9 TP3.1 U2.4
CAN_SCLK: J5.14 TP2.1 U2.8
CAN_TX: J5.10 TP1.1 U2.1
DAC_BCK: J6.4 R50.2
DAC_DATA: J6.3 R52.2
DAC_I2C_EN: J6.6 R59.1 TP8.1 U4.2
DAC_LRCK: J6.1 R51.2
DAC_SCK: J5.20 R49.2 R60.1 TP9.1 U4.3
DAC_SCLK: J6.2
DAC_SDA: J5.19 R61.1 TP10.1 U4.4
GND: C1.2 C2.1 C3.1 C4.1 C5.2 C6.1 C7.1 C9.1 C11.1 C17.1 C18.1 C25.1 C26.1 C27.1 C28.1 C29.1 C30.1 C31.2 C32.2 C33.2 C34.2 C35.2 C37.2 C38.1 C39.1 C40.1 C42.1 C43.1 C46.1 C47.1 C48.1 C49.1 C51.2 C52.2 C53.2 C54.2 C55.2 C56.2 D2.3 D6.2 D7.2 J1.2 J1.3 J2.3 J2.4 J2.7 J2.8 J3.3 J3.4 J4.7 J4.8 J4.9 J4.10 J4.11 J4.12 J4.17 J4.18 J4.19 J4.20 J5.5 J5.7 J5.8 J5.11 J5.12 J5.17 J5.18 J6.5 J6.7 J6.8 J6.13 J6.14 J6.15 J6.16 J7.1 Q3.1 Q3.4 Q8.2 Q9.2 Q10.2 R3.2 R5.2 R7.2 R22.1 R23.1 R24.1 R25.1 R26.1 R27.1 R36.1 R37.1 R38.1 R39.1 R66.1 R69.1 R72.1 R75.1 R81.1 R83.1 R87.1 R88.1 R89.1 R92.1 R94.2 SW1.1 U1.11 U2.2 U4.12 U6.1 U6.8 U6.12 U6.15 U7.4 U7.8 U8.4 U8.8 U9.3 U9.12 U10.3 U10.12 | length 10
  Top Layer w0.9: U8.4@115.903,29.374 U8.8@115.903,39.324
  other v1: 87.475,17.225 92.06,20.614 94.683,20.614 93.375,23.55 86.6,24.125 100.15,24.125
INT_VCC: J3.1 J3.2 R8.2 R15.1 R20.1
INT_VCC_I_SENSE: R21.2 R27.2 U9.6
NetC4_2: C4.2 D3.1 R41.1 U2.10 | length 24.1
  Top Layer w0.3: U2.10@81.993,86.65 C4.2@84.45,86.65 84.487,86.612 84.487,85.238 85.125,84.6 85.125,83.301 85.301,83.125 86.275,83.125 86.675,83.525 86.675,85.1 90,88.425 90,95.475 D3.1@92.075,97.55
NetC5_1: C5.1 R40.2 R44.1
NetC6_2: C6.2 R41.2 R43.2 SW1.2 | length 3.4
  Top Layer w0.3: R43.2@85.75,84 85.787,84.037 85.787,85.212 R41.2@85.825,85.25 85.825,85.3 86.05,85.525 86.35,85.525 86.94,86.115 86.94,86.54 C6.2@87.05,86.65
NetC8_1: C8.1 U4.14 | length 4.2
  Top Layer w0.3: C8.1@76.325,100.621 76.325,100.523 75.323,99.521 75.323,98.152 75.74,97.735 76.502,97.735 U4.14@76.511,97.727
NetC8_2: C8.2 C9.2 L2.1 | length 4.6
  Top Layer w0.3: C9.2@74.2,102.098 76.198,102.098 C8.2@76.325,102.225 76.318,102.232 L2.1@76.318,104.628
NetC10_1: C10.1 U4.15 | length 3.9
  Top Layer w0.3: U4.15@76.511,98.362 77.887,98.362 78.575,99.05 C10.1@78.575,100.621
NetC10_2: C10.2 C11.2 L3.1 | length 4.6
  Top Layer w0.3: L3.1@78.581,104.631 78.581,102.231 C10.2@78.575,102.225 80.573,102.225 C11.2@80.7,102.098
NetC36_1: C36.1 L4.1 U6.16 | length 5.9
  Bottom Layer w0.254: v1(93.375,17.95) 96.625,21.2 C36.1@96.625,22.492
NetC36_2: C36.2 U6.3 U6.4 | length 3.6
  Top Layer w0.254: U6.3@94.91,22.976 96.309,22.976 v1@96.558,23.225 ; U6.4@94.91,23.476 96.308,23.476 v1@96.558,23.225 ; v1(96.625,23.225) v1@96.558,23.225
NetC37_1: C37.1 U6.6 U6.9 | length 2.1
  Top Layer w0.2: C37.1@94.698,26.7 94.772,26.626 U6.6@94.772,24.626
NetC41_1: C41.1 U7.3 | length 3.7
  Top Layer w0.5: C41.1@115.625,61.175 115.655,61.175 115.88,61.4 U7.3@115.88,64.8
NetC41_2: C41.2 D6.1 L5.1 U7.1 | length 2.3
  Top Layer w0.5: 113.375,59.625 113.425,59.675 C41.2@115.625,59.675
NetC45_1: C45.1 U8.3 | length 3.7
  Top Layer w1: U8.3@114.633,29.374 114.633,26.992 115.425,26.2 C45.1@115.625,26.2
NetC45_2: C45.2 D7.1 L6.1 U8.1 | length 7.7
  Top Layer w1: L6.1@108.125,25.25 108.675,24.7 C45.2@115.625,24.7
NetC52_1: C52.1 C53.1 R78.2 U9.13 | length 4.5
  Bottom Layer w0.3: R78.2@13.35,130.025 C52.1@13.35,131.475 C53.1@13.35,132.75 13.415,132.815 13.415,134.465 U9.13@13.425,134.475
NetC55_1: C55.1 C56.1 R79.2 U10.13 | length 4.6
  Bottom Layer w0.3: R79.2@3.75,129.6 C55.1@3.75,131.075 C56.1@3.75,132.35 3.817,132.417 3.817,134.192 U10.13@3.826,134.201
NetF1_2: F1.2 Q1.5-6-7-8 Q5.5-6-7-8
NetQ2_1: Q2.1 Q2.2 Q2.3 Q4.1 Q4.2 Q4.3
NetQ3_2: Q3.2 R2.2 R3.1 | length 3.2
  Bottom Layer w0.3: R3.1@115.875,93.825 115.938,93.887 115.938,95.337 R2.2@116,95.4 116.075,95.4 116.525,95.85 Q3.2@117.4,95.85
NetQ3_5: Q3.5 R6.2 R7.1 | length 4.3
  Bottom Layer w0.3: R6.2@118.55,97.925 R7.1@119.65,97.925 119.65,97.875 119.875,97.65 119.925,97.65 120.225,97.35 120.225,96.026 120.049,95.85 Q3.5@119.3,95.85
NetQ6_1: Q6.1 Q6.2 Q6.3 Q7.1 Q7.2 Q7.3
NetQ8_1: Q8.1 R68.2 R69.2 | length 2.6
  Bottom Layer w0.3: Q8.1@78.05,23.65 R69.2@78.05,24.92 78.062,24.933 78.062,26.208 R68.2@78.075,26.22
NetQ8_3: Q8.3 R67.1 U6.13 | length 3.6
  Top Layer w0.254: v1(90.1,23.2) 90.167,23.2 90.391,22.976 U6.13@91.834,22.976
  Bottom Layer w0.3: Q8.3@78.7,21.75 78.7,21.65 78.9,21.45 79,21.45 79.225,21.225 R67.1@79.225,20.3
NetQ9_1: Q9.1 R80.2 R81.2 | length 2.6
  Bottom Layer w0.3: Q9.1@119.66,67.975 R81.2@119.66,69.25 119.672,69.263 119.672,70.538 R80.2@119.685,70.55
NetQ10_1: Q10.1 R82.2 R83.2 | length 2.6
  Bottom Layer w0.3: Q10.1@118.413,32.549 R83.2@118.413,33.824 118.426,33.837 118.426,35.137 R82.2@118.438,35.149
NetR12_1: R12.1 R14.2 U1.13
NetR12_2: R12.2 R18.1 U1.14
NetR13_1: R13.1 R15.2 U1.2
NetR13_2: R13.2 R21.1 U1.1
NetR16_2: R16.2 R22.2 U1.12
NetR17_2: R17.2 R23.2 U1.3
NetR28_1: R28.1 R30.2 U1.6
NetR28_2: R28.2 R34.1 U1.7
NetR29_1: R29.1 R31.2 U1.9
NetR29_2: R29.2 R35.1 U1.8
NetR32_2: R32.2 R36.2 U1.5
NetR33_2: R33.2 R37.2 U1.10
NetR43_1: R43.1 U2.9 | length 4
  Top Layer w0.3: U2.9@81.993,86.15 83.025,86.15 83.5,85.675 83.5,84.725 83.957,84.268 84.3,84.268 84.5,84.068 R43.1@84.5,84
NetR49_1: R49.1 U4.5 | length 7.9
  Top Layer w0.3: R49.1@64.596,93.925 64.671,93.925 67.203,96.457 U4.5@71.494,96.457
NetR50_1: R50.1 U4.7 | length 4.2
  Top Layer w0.3: R50.1@67.85,93.925 67.925,93.925 69.187,95.187 U4.7@71.494,95.187
NetR51_1: R51.1 U4.8 | length 2.3
  Top Layer w0.3: R51.1@69.475,93.925 69.55,93.925 70.177,94.552 U4.8@71.494,94.552
NetR52_1: R52.1 U4.6 | length 6.1
  Top Layer w0.3: R52.1@66.225,93.925 66.3,93.925 68.197,95.822 U4.6@71.494,95.822
NetR56_1: R56.1 R57.1 R59.2 R60.2 R61.2
NetR70_1: R70.1 U6.10 | length 2.9
  Top Layer w0.254: R70.1@90.275,26.7 90.307,26.668 90.307,26.043 91.724,24.626 U6.10@91.972,24.626
NetR94_1: R94.1 U6.11 | length 1.7
  Top Layer w0.254: v1@90.126,23.976 U6.11@91.834,23.976
  other v1: 90.125,23.975
PRE_BATT_PWR: D1.1 Q1.1 Q1.2 Q1.3 Q2.5-6-7-8 Q5.1 Q5.2 Q5.3 Q6.5-6-7-8 R1.1 R19.1 | length 2.5
  Bottom Layer w0.3: R1.1@120.375,93.675 120.375,93.625 120.6,93.4 120.65,93.4 121.759,92.291 v1(121.759,91.775)
  other v1: 123.405,97.925
PRE_CAN1_N: L1.3 U2.12 | length 6.1
  Top Layer w0.3: U2.12@81.993,87.65 86.525,87.65 L1.3@87.6,88.725
PRE_CAN1_P: L1.2 U2.13 | length 3.5
  Top Layer w0.3: U2.13@81.993,88.15 84.65,88.15 L1.2@85.225,88.725
PRE_VCC_SENSE: R19.2 R25.2 U9.4
PWR_IN: F1.1 J2.1 J2.2 J2.5 J2.6
PWR_MOSFET: Q2.4 Q3.3 Q3.6 Q4.4 Q6.4 Q7.4 R1.2 | length 15.6
  Top Layer w0.212: Q7.4@118.225,92.75 118.3,92.75 118.325,92.775 118.325,92.925 v1(119.075,93.675) ; Q4.4@118.225,96.65 118.15,96.65 117.675,96.175 117.675,94.375 118.375,93.675 v1(119.075,93.675) ; Q6.4@119.9,90.8 119.975,90.8 120.4,91.225 120.4,93.1 119.825,93.675 v1(119.075,93.675) ; Q2.4@119.9,94.7 119.825,94.7 119.8,94.675 119.8,94.4 v1(119.075,93.675)
  Bottom Layer w0.212: Q3.6@119.075,95.106 119.169,95.2 Q3.6@119.3,95.2
  Bottom Layer w0.3: Q3.3@117.4,96.5 117.45,96.45 118.174,96.45 118.35,96.274 118.35,95.376 118.526,95.2 Q3.6@119.169,95.2 ; v1(119.075,93.675) Q3.6@119.075,95.106
RP_MOS_LINK: D1.2 Q1.4 Q5.4 R5.1 | length 7.1
  Top Layer w0.2: Q5.4@122.212,98.75 122.287,98.825 122.287,99.058 122.431,99.202 125.798,99.202 126.1,98.9 126.175,98.825 126.175,98.675 126.618,98.232 126.618,97.982 v1(126.675,97.925)
  Bottom Layer w0.2: v1(126.675,97.925) 126.675,96.4 R5.1@126.725,96.35
U7_nEN: Q9.3 R73.1 U7.7 | length 1.6
  Bottom Layer w0.3: Q9.3@120.31,66.075 120.31,65.975 120.51,65.775 120.61,65.775 120.886,65.499 120.886,64.874 v1(120.96,64.8)
U8_nEN: Q10.3 R77.1 U8.7 | length 1.6
  Bottom Layer w0.3: Q10.3@119.063,30.649 119.063,30.549 119.263,30.349 119.363,30.349 119.639,30.073 119.639,29.448 v1(119.713,29.374)
VCC_SENSE: R20.2 R26.2 U9.5
VCOM: C25.2 C26.2 U4.13 | length 4.3
  Top Layer w0.3: U4.13@76.511,97.092 C26.2@79.125,97.092 80.506,97.092 C25.2@80.7,96.898
VOUT_L: J3.6 J7.2 J7.4 L3.2 | length 27.9
  Top Layer w0.5: J3.6@61.025,116.25 61.093,116.25 61.768,115.575 73.55,115.575 J7.2@74.05,116.075 ; J7.4@74.05,118.775 J7.2@74.05,116.075 ; L3.2@78.581,106.283 78.581,107.444 74.05,111.975 J7.2@74.05,116.075
VOUT_R: J3.5 J7.3 J7.5 L2.2 | length 20.2
  Top Layer w0.5: J3.5@61.025,113.75 61.175,113.75 65.95,108.975 J7.3@65.95,108.675 65.95,108.375 68.7,105.625 69.7,105.625 J7.5@70.75,104.575 70.8,104.575 71.85,105.625 71.85,105.675 72.455,106.28 L2.2@76.318,106.28
pads on no net: J1. J2. J6.9 J6.10 J6.11 J6.12 J7.MH J?. J?.1 J?.2 J?.3 J?.4 U4.1 U4.9 U4.10 U4.16 U7.5 U8.5 U10.9 U10.10 U10.11
copper on no net:
  other v2: 86,4 126,4 4,71 66,71 126,71 4,116 126,116
  other v3: 7,73.5 47,73.5 7,113.5 47,113.5

## Polygon pours and split planes (outlines as drawn)
NetQ2_1 on Top Layer "NETQ2_1_L01_P012" (solid, pour order 12): 117.975,96.175 117.975,94.525 118.475,94.525 119.65,95.175 120.15,95.175 120.15,96.825 119.65,96.825 118.475,96.175
3V3_AUX_VCC on Top Layer "3V3_AUX_VCC_L01_P021" (solid, pour order 21): 99.2,33.6 99.2,41.7 105.025,41.7 105.025,40.1 105,40.075 105,33.575 100.825,33.575 100.8,33.6
2V_AUX_OUT on Top Layer "2V_AUX_OUT_L01_P020" (solid, pour order 20): 121.075,58.75 121.075,47.65 116.925,47.65 105.45,47.65 105.45,49.025 105.45,58.75 116.925,58.75
NetC41_2 on Top Layer "NETC41_2_L01_P019" (solid, pour order 19): 113.825,66.9 113.84,66.885 113.825,58.725 112.025,58.725 105.45,58.725 105.45,66.9
2V_AUX_VCC on Top Layer "2V_AUX_VCC_L01_P017" (solid, pour order 17): 107.8,71.525 111,71.525 111,80.625 107.8,80.625
PRE_BATT_PWR on Top Layer "PRE_BATT_PWR_L01_P016" (solid, pour order 16): 120.087,99 120.087,98.5 120.67,97.917 120.67,90.55 122.65,90.55 122.7,90.6 125.7,90.6 125.7,98.5 125.7,99
NetF1_2 on Top Layer "NETF1_2_L01_P015" (solid, pour order 15): 116.925,101.8 120.062,101.8 126.375,101.8 126.375,101.55 126.425,101.5 126.425,99.52 120.013,99.52 118.885,98.65 116.925,98.65
PWR_IN on Top Layer "PWR_IN_L01_P014" (solid, pour order 14): 102.325,109.875 102.325,102.7 102.325,98.65 113.975,98.65 113.975,101.8 112.015,101.8 109.275,104.3 109.275,109.85
NetQ6_1 on Top Layer "NETQ6_1_L01_P013" (solid, pour order 13): 117.975,92.275 117.975,90.625 118.475,90.625 119.65,91.275 120.15,91.275 120.15,92.925 119.65,92.925 118.475,92.275
BATT_PWR on Top Layer "BATT_PWR_L01_P011" (solid, pour order 11): 95.49,97.275 116.62,97.275 116.625,97.28 117.075,97.28 117.455,96.9 117.455,90.55 115.225,90.55 115.175,90.6 115.175,92.3 110.49,94.175 95.49,94.175
GND on Top Layer "GND_L01_P010" (solid, pour order 10): 86.265,99.55 85.715,98.41 85.715,97.89 86.215,96.64 86.735,96.64 87.235,97.89 87.235,98.41 86.685,99.55
3V3_AUX_FB on Top Layer "3V3_AUX_FB_L01_P009" (solid, pour order 9): 109.3,5.065 112.86,5.065 112.86,12.935 112.86,16.8 109.3,16.8 109.3,12.935
3V3_AUX_FB on Top Layer "3V3_AUX_FB_L01_P008" (solid, pour order 8): 117.968,31.072 117.968,27.676 116.925,23.275 116.925,21.375 121.075,21.375 121.075,23.275 118.918,27.676 118.918,31.072
3V3_AUX_FB on Top Layer "3V3_AUX_FB_L01_P007" (solid, pour order 7): 105.425,16.8 116.925,23.275 121.075,23.275 121.075,12.175 121.05,12.15 116.925,12.15 110.825,13.9 105.425,13.9
no net on Top Layer "NONET_L01_P006" (solid, pour order 6): 105.425,30.05 111.634,31.124 112.538,31.124 112.568,31.094 112.568,27.676 110.825,23.8 105.425,23.8
NetC36_1 on Top Layer "NETC36_1_L01_P000" (solid, pour order 0): 93.549,20.552 95.075,18.875 95.075,17.025 91.675,17.025 91.675,18.875 93.194,20.552 93.194,20.002 93.194,22.974 93.549,22.974
5V_MAIN_VCC on Top Layer "5V_MAIN_VCC_L01_P001" (solid, pour order 1): 92.492,21.698 89.2,20.725 85.725,20.725 85.725,22.325 87.475,22.325 87.8,23.375 87.8,24.875 89.2,24.875 89.2,23.375 89.738,22.838 92.492,22.104
5V_MAIN_VCC on Top Layer "5V_MAIN_VCC_L01_P002" (solid, pour order 2): 94.251,21.698 97.543,20.725 101.018,20.725 101.018,22.325 99.268,22.325 98.943,23.375 98.943,24.875 97.543,24.875 97.543,23.375 97.006,22.838 94.251,22.104
5V_MAIN_OUT on Bottom Layer "5V_MAIN_OUT_L04_P004" (solid, pour order 4): 94.06,5.065 100.16,5.065 100.16,12.935 94.06,12.935
3V3_AUX_FB on Bottom Layer "3V3_AUX_FB_L04_P005" (solid, pour order 5): 109.3,12.935 112.86,12.935 112.86,5.065 109.3,5.065

## Silkscreen, mask and mechanical layers (free items; w line width, h text height)
Top Overlay:
  lines w0.15: 71.675,79.125 73.512,79.125 ; 71.675,80.225 73.512,80.225 ; 71.675,86.025 72.425,86.025 ; 71.713,74.412 74.263,74.412
  text "AUDIO" at 75.475,118.55 h1
  text "PWR" at 119.725,118.525 h1
  text "PWR" at 97.525,118.425 h1
  text "DAC" at 66.529,96.179 h1.25
  text "TX" at 71.65,90.75 h0.5
  text "CAN" at 74.179,89.779 h1.25
  text "RX" at 71.65,89.65 h0.5
  text "MISO" at 71.65,88.55 h0.5
  text "MOSI" at 71.65,87.45 h0.5
  text "SCLK" at 71.65,86.35 h0.5
  text "CS" at 71.65,85.25 h0.5
  text "MISO" at 71.65,82.75 h0.5
  text "ADC" at 74.179,81.779 h1.25
  text "MOSI" at 71.65,81.65 h0.5
  text "SCLK" at 71.65,80.55 h0.5
  text "CS 1" at 71.65,79.45 h0.5
  text "CS 2" at 71.65,78.35 h0.5
  text "SCK" at 71.619,75.693 h0.5
  text "DAC" at 74.179,74.779 h1.25
  text "SDA" at 71.643,74.619 h0.5
  text "I2C_EN" at 71.625,73.67 h0.5
  text "INH" at 124.25,32.975 h0.5
  text "VCC" at 124.25,31.85 h0.5
  text "5V" at 124.25,30.725 h0.5
  text "3V3" at 124.25,29.625 h0.5
  text "2V" at 124.25,28.525 h0.5
Mechanical 1:
  circle w0.254: c27,93.5 r22.5
  lines w0.254: 0,70 ccw(c3,70) 3,67 48,67 ccw(c48,70) 51,70 cw(c54,70) 54,73 58,73 cw(c58,70) 61,70 ccw(c64,70) 64,67 79,67 cw(c79,64) 82,64 82,53 ccw(c86,53) 86,49 cw(c86,45) 90,45 90,34 cw(c86,34) 86,30 ccw(c86,26) 82,26 82,3 ccw(c85,3) 85,0 127,0 ccw(c127,3) 130,3 130,117 ccw(c127,117) 127,120 3,120 ccw(c3,117) 0,117 0,70

## Text inside footprints (layer, text, board x,y; h text height)
U2: Top 3D Body "*" at 79.459,87.95 h1.27; Top Overlay "*" at 78.335,88.828 h1.27
U6: Top 3D Body "*" at 94.451,21.308 h1.27 r180; Top Overlay "*" at 96.229,21.308 h1.27 r180